# Altium PCB MFC-Card-Template.PcbDoc (part 3 of 4)
Units mm, origin at the board's own origin, x right, y up, seen from the top; angles counter-clockwise.
Board outline 100 x 100 mm, 4 copper layers (Top Layer, Int1 (GND), Int2 (PWR), Bottom Layer), stack 1.542 mm thick; 292 components, 210 nets, 1185 pads, 682 vias.
Unrouted connection lines stored in the file: 56.
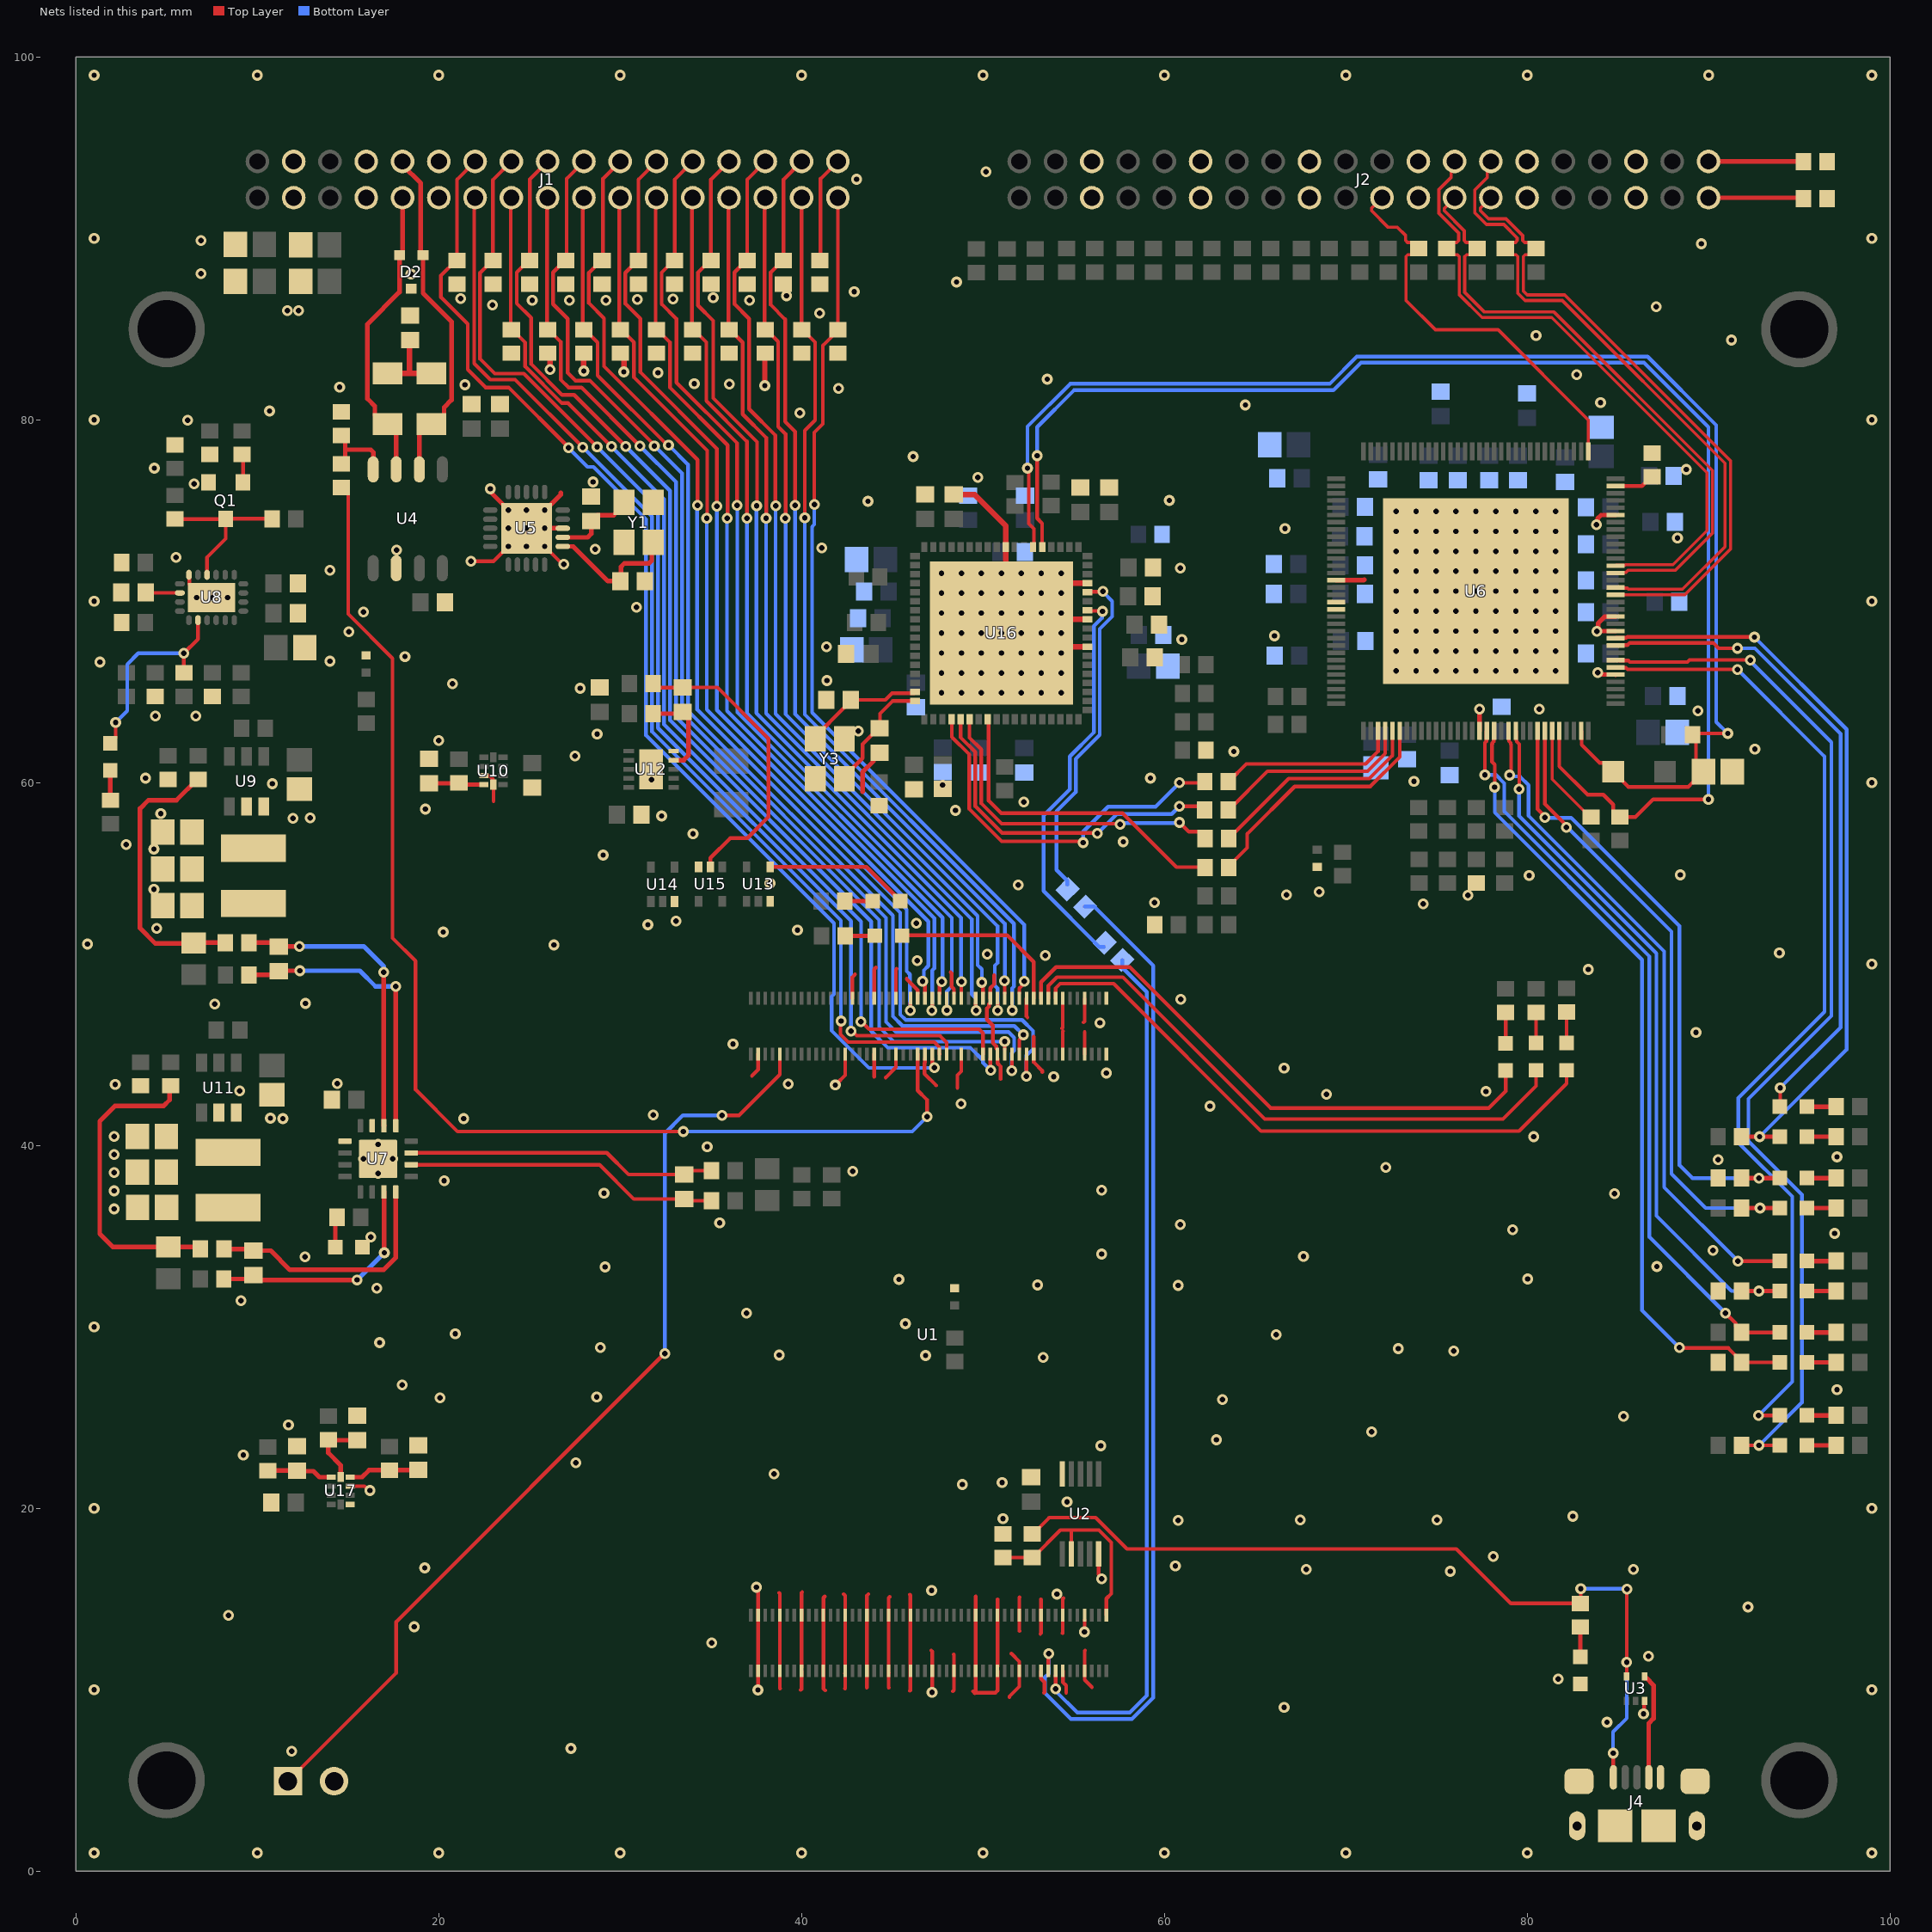
[diagram p5: the nets of this part, all layers, seen from the top]

## Via types
v1: diameter 0.6, hole 0.3, Top Layer to Bottom Layer, 682 vias

## Nets (pads, with @x,y where several pads share a name; then routed paths per layer and width w, separated by ;. In a path a pad name is that pad's centre, name@x,y a point inside that pad or via, vN(x,y) a via of type N, cw(c..) or ccw(c..) an arc to the next point about the centre after c; other vN are vias at no path point) (continued)
ETH5_TX_P: J2.21 R36.1 U6.1 | length 22.3
  Top Layer w0.176: J2.21@72,92.25 71.994,92.25 71.423,91.679 71.423,91.533 72.339,90.618 72.848,90.618 73.304,90.162 73.304,89.889 73.407,89.785 73.653,89.785 73.99,89.448 73.653,89.112 73.427,89.112 73.324,89.008 73.324,86.588 74.945,84.966 78.4,84.966 83.375,79.991 U6.1@83.375,78.259
ETH6_RX_N: J2.26 R39.1 U6.116 | length 35.8
  Top Layer w0.176: J2.26@76,94.25 75.804,94.054 75.804,93.365 75.133,92.694 75.133,91.394 76.226,90.301 76.226,89.889 76.123,89.785 75.876,89.785 75.54,89.448 75.876,89.112 76.151,89.112 76.254,89.008 76.254,86.911 77.52,85.646 81.355,85.646 89.913,77.088 89.913,73.89 88.042,72.019 85.436,72.019 85.413,71.996 84.912,71.996 U6.116@84.875,71.959
ETH6_RX_P: J2.25 R38.1 U6.115 | length 34.2
  Top Layer w0.176: J2.25@76,92.25 76,92.229 75.437,91.666 75.437,91.52 76.53,90.427 76.53,89.889 76.633,89.785 76.879,89.785 77.216,89.448 76.879,89.112 76.661,89.112 76.558,89.008 76.558,87.037 77.645,85.949 81.481,85.949 90.216,77.213 90.216,73.765 88.167,71.716 85.562,71.716 85.442,71.596 84.912,71.596 U6.115@84.875,71.559
ETH6_TX_N: J2.28 R41.1 U6.113 | length 37
  Top Layer w0.176: J2.28@78,94.25 77.804,94.054 77.804,93.365 77.114,92.675 77.114,91.413 77.749,90.779 78.709,90.779 79.452,90.036 79.452,89.889 79.349,89.785 79.102,89.785 78.765,89.448 79.102,89.112 79.384,89.112 79.487,89.008 79.487,86.98 79.882,86.586 81.939,86.586 90.911,77.614 90.911,73.008 88.565,70.663 85.571,70.663 85.511,70.722 84.912,70.722 U6.113@84.875,70.759
ETH6_TX_P: J2.27 R40.1 U6.112 | length 35.3
  Top Layer w0.176: J2.27@78,92.25 77.983,92.25 77.418,91.685 77.418,91.539 77.874,91.082 78.835,91.082 79.755,90.162 79.755,89.889 79.859,89.785 80.105,89.785 80.442,89.448 80.105,89.112 79.894,89.112 79.791,89.008 79.791,87.106 80.007,86.889 82.065,86.889 91.214,77.739 91.214,72.883 88.691,70.359 U6.112@84.875,70.359
GND: C1.1 C2.1 C3.1 C4.1 C10.1 C11.1 C12.1 C13.1 C14.2 C15.1 C16.1 C17.1 C18.1 C19.1 C20.1 C21.1 C22.1 C23.1 C24.1 C25.1 C26.1 C27.1 C28.1 C29.1 C30.1 C31.1 C32.1 C33.1 C34.1 C35.1 C36.1 C37.1 C38.1 C39.1 C40.1 C41.1 C42.1 C43.1 C44.1 C45.1 C46.1 C47.1 C48.1 C49.1 C50.1 C51.1 C52.1 C53.1 C54.1 C55.1 C57.1 C58.1 C59.1 C60.1 C61.1 C62.1 C63.1 C65.1 C66.1 C67.1 C68.1 C70.1 C71.2 C73.1 C74.1 C75.1 C76.1 C77.1 C78.1 C79.1 C80.1 C81.1 C82.1 C83.1 C84.1 C85.1 C86.1 C87.1 C88.1 C89.2 C90.2 C91.1 C92.1 C93.1 C94.1 C95.1 C96.1 C97.1 C98.1 C99.1 C100.1 C101.1 D1.2 D2.3 D19.2 J1.3 J1.4 J1.7 J1.8 J1.11 J1.12 J2.5 J2.6 J2.11 J2.12 J2.17 J2.18 J2.23 J2.24 J2.29 J2.30 J2.35 J2.36 J3.2 J4.5 J4.S Q1.2 R1.2 R2.1 R3.1 R4.1 R5.1 R6.1 R7.1 R8.1 R9.1 R10.1 R11.1 R12.1 R13.1 R14.1 R15.1 R16.1 R17.1 R18.1 R19.1 R20.1 R21.1 R42.2 R43.2 R45.1 R50.1 R66.1 R83.1 R84.1 R85.1 R89.1 R91.1 R92.1 R101.1 R102.1 R103.1 R104.1 R105.1 R107.1 R114.1 R120.1 R133.1 R134.1 R139.1 R140.1 R141.1 U1.1 U1.2 U1.7 U1.8 U1.13 U1.14 U1.22 U1.23 U1.32 U1.33 U1.42 U1.43 U1.52 U1.53 U1.59 U1.60 U1.65 U1.66 U1.71 U1.74 U1.98 U1.107 U1.108 U1.113 U1.114 U1.119 U1.120 U1.125 U1.126 U1.131 U1.132 U1.137 U1.138 U1.144 U1.150 U1.155 U1.156 U1.161 U1.162 U1.167 U1.168 U1.173 U1.174 U1.179 U1.180 U1.185 U1.186 U1.191 U1.192 U1.197 U1.198 U2.5 U2.10 U3.3 U4.2 U5.8 U5.21 U6.47 U6.50 U6.51 U6.81 U6.101 U6.107 U6.109 U6.123 U6.129 U7.3 U7.5 U7.17@16.652,39.262 U8.16 U8.21 U9.2 U10.3 U10.5 U11.2 U12.5 U12.11 U13.3 U14.3 U15.3 U16.26 U16.29 U16.33 U16.45 U16.73 U17.1 U17.3 Y1.2 Y1.4 Y3.2 Y3.4 | length 142
  Top Layer w0.203: U8.16@6.223,71.461 6.242,71.442 6.242,70.942 6.293,70.891 U8.21@6.375,70.891 ; U17.3@15.113,21.216 15.901,21.216 16.088,21.029 16.203,21.029 v1@16.231,21.057 ; v1@21.819,72.111 21.819,72.146 21.885,72.212 23.021,72.212 v1(23.834,73.026) ; U10.3@22.487,60.393 22.51,60.37 22.816,60.37 22.991,60.194 22.991,60.041 23.038,59.995 U10.5@23.038,59.893 ; 23.012,58.977 U10.5@23.012,59.893 ; v1(25.835,73.026) 26.928,71.933 v1@26.949,71.933 ; 37.262,43.84 37.6,44.179 U1.98@37.6,45.031 ; v1@37.592,10.084 37.6,10.092 U1.198@37.6,11.031 37.6,14.111 37.6,15.451 v1@37.617,15.469 ; 38.76,15.342 38.8,15.302 38.8,14.111 U1.192@38.8,11.031 38.8,10.07 38.811,10.058 ; 39.954,9.982 40,10.028 U1.186@40,11.031 ; U1.186@40.005,11.227 40,11.232 40,14.111 40,15.337 40.03,15.367 ; U1.179@41.199,14.249 U1.179@41.2,14.248 ; 41.275,15.138 41.2,15.063 U1.179@41.2,14.248 ; 41.3,9.957 41.2,10.057 U1.180@41.2,11.031 41.2,14.111 U1.179@41.2,14.248 ; v1@41.961,43.332 41.942,43.351 41.942,43.415 42.4,43.873 U1.74@42.4,45.031 ; 42.316,15.265 42.4,15.182 42.4,14.111 U1.174@42.4,11.031 U1.174@42.4,10.904 ; 42.393,10.058 42.4,10.066 U1.174@42.4,10.904 ; U1.174@42.393,10.897 U1.174@42.4,10.904 ; U1.71@42.8,48.111 42.8,49.277 42.951,49.428 ; 43.586,10.109 43.6,10.123 U1.168@43.6,11.031 U1.167@43.6,14.111 ; U1.167@43.6,14.161 43.6,15.177 43.688,15.265 ; 43.993,43.79 44,43.797 U1.66@44,45.031 ; U1.65@44,48.111 44,49.715 44.094,49.809 ; 44.628,43.739 45.2,44.311 U1.60@45.2,45.031 ; 44.806,10.109 44.8,10.115 U1.162@44.8,10.928 ; U1.162@44.806,10.922 U1.162@44.8,10.928 ; 44.856,15.113 44.8,15.057 44.8,14.111 U1.162@44.8,11.031 U1.162@44.8,10.928 ; U1.59@45.2,48.111 45.2,49.696 45.237,49.733 ; 45.796,49.2 45.796,49.173 46.398,48.571 U1.53@46.398,48.359 ; 45.974,9.931 46,9.957 46,10.923 U1.156@46,11.031 46,14.111 46,15.214 45.974,15.24 ; U1.52@46.798,44.783 46.798,44.574 46.777,44.553 46.777,43.952 47.422,43.307 ; 47.142,12.167 47.2,12.109 U1.150@47.2,11.031 47.2,10.026 v1@47.269,9.957 ; 48.209,49.555 48.272,49.492 48.272,48.755 48.398,48.629 U1.43@48.398,48.359 ; 48.336,9.906 48.4,9.97 U1.144@48.4,11.031 48.4,11.925 48.387,11.938 ; 48.59,43.18 48.59,43.877 48.8,44.087 U1.42@48.8,45.031 ; 49.454,9.906 49.53,9.83 49.581,9.83 ; 49.555,9.804 49.581,9.83 ; U1.138@49.606,10.897 U1.138@49.6,10.903 ; 49.606,15.138 49.6,15.132 49.6,14.111 U1.138@49.6,11.031 U1.138@49.6,10.903 ; U1.33@50.398,47.863 50.329,47.793 50.329,47.666 50.216,47.554 50.216,46.939 50.546,46.609 50.546,45.658 50.729,45.476 50.729,45.349 U1.32@50.798,45.279 ; U1.33@50.402,48.113 50.402,48.673 50.622,48.894 50.622,49.378 ; U1.132@50.8,11.031 50.8,9.949 50.681,9.83 49.581,9.83 ; U1.132@50.8,11.279 50.8,14.111 50.8,14.986 ; U1.32@50.802,44.783 50.802,44.526 50.978,44.349 50.978,43.663 ; 51.46,9.576 51.46,9.627 52,10.166 U1.126@52,11.031 52,11.551 51.562,11.989 ; 52.019,13.233 52,13.253 52,14.111 52,15.068 52.019,15.088 ; U1.23@52.4,48.111 52.4,47.117 52.451,47.066 ; 52.781,45.999 52.8,45.981 U1.22@52.8,45.031 52.802,45.029 52.802,44.583 53.264,44.121 53.264,44.044 ; 53.162,13.081 53.2,13.119 53.2,14.111 53.2,14.974 53.188,14.986 ; U1.120@53.2,11.031 53.202,11.029 53.202,10.603 53.391,10.414 53.391,9.855 53.365,9.83 ; 54.356,46.457 54.4,46.501 U1.13@54.4,48.111 ; 54.381,13.106 54.4,13.125 54.4,14.111 54.4,15.005 54.432,15.037 ; U1.114@54.4,11.031 54.402,11.029 54.402,10.41 54.585,10.227 54.585,9.83 ; U1.14@54.4,45.031 54.4,46.297 54.407,46.304 ; 55.55,46.787 55.6,46.837 U1.7@55.6,48.111 ; v1(55.601,13.183) U1.107@55.6,13.863 ; U1.8@55.6,45.031 55.6,46.253 ; 55.626,12.167 55.6,12.141 U1.108@55.6,11.031 55.602,11.029 55.602,10.54 56.007,10.135 ; U2.5@56.372,17.485 56.372,16.341 56.54,16.172 v1(56.54,16.104) ; v1(86.416,8.661) 86.447,8.693 86.447,9.352 U3.3@86.479,9.383 ; 49.581,9.83 49.6,9.849 U1.138@49.6,10.903
  Top Layer w0.254: v1@22.835,76.175 22.835,76.048 23.834,75.048 v1(23.834,75.026) ; U5.21@25.857,74.041 25.872,74.026 U5.8@26.835,74.026 ; U5.21@25.883,75.032 26.721,75.87 26.721,75.971 ; 43.358,59.512 43.358,60.579 43.967,61.189 ; U6.47@69.475,71.159 70.981,71.159 71.018,71.196 ; v1(77.368,64.059) 77.373,64.054 77.373,62.861 U6.81@77.375,62.859 ; v1(83.82,74.219) 83.886,74.285 83.886,74.564 84.081,74.759 U6.123@84.875,74.759 ; v1(83.891,66.062) 83.985,66.062 84.086,65.961 84.873,65.961 U6.101@84.875,65.959 ; U6.107@84.875,68.359 84.873,68.357 83.851,68.357 v1(83.845,68.351) 83.912,68.418 83.912,68.78 84.289,69.157 84.873,69.157 U6.109@84.875,69.159
  Top Layer w0.305: R5.1@26.01,83.617 26.139,83.487 v1(26.139,82.781) ; R7.1@27.965,83.566 27.991,83.541 v1(27.991,82.698) ; R9.1@30.099,83.668 30.201,83.566 v1(30.201,82.652) ; v1(37.973,81.89) 37.973,83.617 R17.1@38.049,83.693 ; C92.1@48.489,75.87 48.503,75.884 49.541,75.884 51.262,74.163 U16.45@51.262,73 51.262,71.811 U16.73@51.029,71.577 ; U16.73@54.28,70.485 54.794,71 U16.33@55.762,71 ; U16.73@54.331,69.367 54.698,69 U16.29@55.762,69 ; U16.73@54.356,67.158 54.698,67.5 U16.26@55.762,67.5
  other v1: 1,1 10,1 20,1 30,1 40,1 50,1 60,1 70,1 80,1 99,1 11.887,6.604 27.28,6.756 84.404,8.204 66.599,9.017 47.193,9.855 37.592,9.982 1,10 99,10 81.712,10.592 86.69,11.836 35.052,12.573 18.644,13.462 8.407,14.097 92.177,14.554 54.077,15.265 47.168,15.469 37.516,15.646 75.766,16.519 67.818,16.637 85.852,16.637 19.228,16.713 60.604,16.815 78.13,17.348 60.757,19.329 67.488,19.355 75.032,19.355 51.105,19.431 82.525,19.558 1,20 99,20 54.635,20.345 16.205,20.98 48.87,21.311 51.054,21.412 38.481,21.895 27.559,22.504 9.22,22.936 56.49,23.444 62.865,23.774 71.425,24.206 11.709,24.587 85.319,25.07 63.195,25.984 20.066,26.086 28.702,26.137 97.079,26.543 17.983,26.797 53.315,28.321 46.838,28.423 38.76,28.448 75.946,28.677 72.898,28.804 28.905,28.854 16.739,29.134 66.167,29.566 20.904,29.616 1,30 45.72,30.175 36.957,30.759 9.093,31.445 16.586,32.131 60.757,32.283 53.01,32.309 45.364,32.614 80.035,32.639 29.159,33.299 87.147,33.325 12.624,33.858 67.666,33.884 56.54,34.011 90.246,34.214 16.256,34.95 96.952,35.154 79.197,35.357 60.884,35.636 35.484,35.738 2.1,36.5 84.811,37.338 29.108,37.363 2.1,37.5 56.54,37.541 20.295,38.049 16.652,38.462 2.1,38.5 42.824,38.583 72.212,38.786 90.526,39.218 15.851,39.262 17.452,39.262 97.079,39.37 2.1,39.5 34.798,39.929 16.652,40.062 2.1,40.5 80.366,40.488 11.405,41.478 21.361,41.478 10.719,41.504 31.826,41.681 62.509,42.164 48.793,42.291 68.936,42.824 77.724,42.977 9.017,43.002 41.859,43.332 2.159,43.358 39.268,43.383 14.402,43.409 53.899,43.79 56.794,43.993 66.599,44.272 36.22,45.593 89.306,46.228 56.439,46.761 7.645,47.803 12.649,47.828 60.909,48.057 83.363,49.708 99,50 46.38,50.19 53.442,50.47 50.241,50.546 93.904,50.622 26.34,51.054 0.635,51.105 20.244,51.765 39.776,51.867 4.445,51.968 31.521,52.172 46.33,52.248 33.071,52.375 74.27,53.315 59.461,53.391 76.733,53.797 66.726,53.823 68.529,53.975 4.293,54.127 51.943,54.356 38.252,54.458 80.112,54.889 88.443,54.915 29.058,56.007 4.293,56.337 2.769,56.591 57.734,56.744 34.011,57.175 11.963,58.039 12.903,58.064 32.283,58.166 4.674,58.293 48.489,58.471 19.253,58.547 52.248,58.928 47.777,59.868 10.82,59.944 99,60 73.762,60.071 31.725,60.173 3.835,60.249 59.233,60.249 27.508,61.468 63.83,61.722 92.558,61.849 19.99,62.332 28.727,62.687 43.129,62.84 4.369,63.678 6.604,63.678 89.408,63.957 80.67,64.059 47.712,64.95 48.812,64.95 49.912,64.95 51.012,64.95 52.112,64.95 53.212,64.95 54.312,64.95 27.788,65.202 20.752,65.456 41.402,65.634 47.712,66.05 48.812,66.05 49.912,66.05 51.012,66.05 52.112,66.05 53.212,66.05 54.312,66.05 72.775,66.159 73.875,66.159 74.975,66.159 76.075,66.159 77.175,66.159 78.275,66.159 79.375,66.159 80.475,66.159 81.575,66.159 1.321,66.65 14,66.7 18.136,66.954 47.712,67.15 48.812,67.15 49.912,67.15 51.012,67.15 52.112,67.15 53.212,67.15 54.312,67.15 72.775,67.259 73.875,67.259 74.975,67.259 76.075,67.259 77.175,67.259 78.275,67.259 79.375,67.259 80.475,67.259 81.575,67.259 41.377,67.488 60.96,67.894 66.065,68.097 47.712,68.25 48.812,68.25 49.912,68.25 51.012,68.25 52.112,68.25 53.212,68.25 54.312,68.25 15.037,68.326 72.775,68.359 73.875,68.359 74.975,68.359 76.075,68.359 77.175,68.359 78.275,68.359 79.375,68.359 80.475,68.359 81.575,68.359 47.712,69.35 48.812,69.35 49.912,69.35 51.012,69.35 52.112,69.35 53.212,69.35 54.312,69.35 15.85,69.418 72.775,69.459 73.875,69.459 74.975,69.459 76.075,69.459 77.175,69.459 78.275,69.459 79.375,69.459 80.475,69.459 81.575,69.459 30.896,69.672 1,70 99,70 6.655,70.206 7.518,70.206 8.357,70.206 47.712,70.45 48.812,70.45 49.912,70.45 51.012,70.45 52.112,70.45 53.212,70.45 54.312,70.45 72.775,70.559 73.875,70.559 74.975,70.559 76.075,70.559 77.175,70.559 78.275,70.559 79.375,70.559 80.475,70.559 81.575,70.559 47.712,71.55 48.812,71.55 49.912,71.55 51.012,71.55 52.112,71.55 53.212,71.55 54.312,71.55 72.775,71.659 73.875,71.659 74.975,71.659 76.075,71.659 77.175,71.659 78.275,71.659 79.375,71.659 80.475,71.659 81.575,71.659 14,71.704 60.884,71.831 26.899,72.034 21.768,72.212 5.512,72.415 72.775,72.759 73.875,72.759 74.975,72.759 76.075,72.759 77.175,72.759 78.275,72.759 79.375,72.759 80.475,72.759 81.575,72.759 17.678,72.822 28.626,72.873 41.107,72.949 24.834,73.026 88.29,73.482 72.775,73.859 73.875,73.859 74.975,73.859 76.075,73.859 77.175,73.859 78.275,73.859 79.375,73.859 80.475,73.859 81.575,73.859 23.834,74.026 24.834,74.026 25.835,74.026 66.65,74.016 72.775,74.959 73.875,74.959 74.975,74.959 76.075,74.959 77.175,74.959 78.275,74.959 79.375,74.959 80.475,74.959 81.575,74.959 24.834,75.026 25.835,75.026 43.663,75.514 60.274,75.565 22.835,76.2 6.502,76.479 28.499,76.581 49.708,76.835 88.773,77.267 4.318,77.343 46.152,77.978 6.147,79.985 1,80 99,80 39.903,80.391 10.668,80.493 64.465,80.823 84.049,80.95 42.037,81.737 14.529,81.813 21.438,81.94 36.017,81.966 34.087,81.991 53.543,82.245 82.728,82.499 32.08,82.601 91.262,84.404 80.493,84.658 40.996,85.877 11.659,86.03 12.268,86.03 87.122,86.233 22.962,86.335 25.146,86.6 27.203,86.6 29.21,86.6 37.135,86.6 30.937,86.639 32.918,86.665 21.209,86.69 35.128,86.741 39.167,86.843 42.901,87.071 48.539,87.605 18.466,88.036 6.883,88.062 89.611,89.713 6.883,89.891 1,90 99,90 43.028,93.269 50.165,93.675 1,99 10,99 20,99 30,99 40,99 50,99 60,99 70,99 80,99 90,99 99,99
NetC5_1: C5.1 U1.116 | length 47.9
  Top Layer w0.203: v1(54,10.033) U1.116@54,10.782
  Bottom Layer w0.203: v1(54,10.033) 54,9.939 55.202,8.738 58.09,8.738 59.03,9.677 59.03,48.463 57.678,49.815 C5.1@57.678,50.221
NetC5_2: C5.2 U16.30 | length 22.2
  Top Layer w0.203: U16.30@55.768,69.494 55.789,69.473 56.564,69.473 v1(56.591,69.446)
  Bottom Layer w0.203: v1(56.591,69.446) 56.562,69.417 56.562,69.084 56.109,68.631 56.109,62.769 54.788,61.448 54.788,59.639 53.34,58.191 53.34,54.026 56.413,50.952 C5.2@56.667,50.952
NetC6_1: C6.1 U1.118 | length 55.5
  Top Layer w0.203: U1.118@53.602,11.279 53.602,11.971 v1(53.619,11.989)
  Bottom Layer w0.203: v1(53.619,11.989) 53.619,10.883 53.416,10.68 53.416,9.816 54.85,8.382 58.217,8.382 59.385,9.55 59.385,48.997 59.385,49.911 56.121,53.175 55.628,53.175 C6.1@55.621,53.168
NetC6_2: C6.2 U16.32 | length 18.8
  Top Layer w0.203: U16.32@55.77,70.492 55.804,70.527 56.59,70.527 v1(56.617,70.554)
  Bottom Layer w0.203: C6.2@54.641,54.376 54.648,54.384 54.648,54.597 54.051,55.194 54.051,57.658 54.051,58.42 55.118,59.487 55.118,61.312 56.439,62.632 56.439,68.478 57.12,69.159 57.12,70.007 56.617,70.51 v1(56.617,70.554)
NetC14_1: C14.1 R47.1 R49.2 | length 4.3
  Top Layer w0.305: R47.1@17.174,82.568 18.382,82.568 ; C14.1@18.415,84.411 18.382,84.378 18.382,82.568 ; R49.2@19.59,82.568 18.382,82.568
NetC15_2: C15.2 U5.7 Y1.3 | length 4.7
  Top Layer w0.254: U5.7@26.835,73.526 28.208,73.526 28.406,73.724 C15.2@28.406,74.42 28.729,74.743 29.633,74.743 30.215,75.325 Y1.3@30.215,75.45
NetC17_2: C17.2 U5.6 Y1.1 | length 8.2
  Top Layer w0.254: U5.6@26.835,73.026 27.406,73.026 29.32,71.112 C17.2@30.016,71.112 30.038,71.134 30.038,71.895 30.234,72.091 31.587,72.091 31.736,72.24 31.736,73.17 Y1.1@31.815,73.25 Y1.1@31.815,73.125 ; C17.2@29.921,70.964 C17.2@30.244,71.287
NetC51_2: C51.2 D9.1 R61.1 U6.95 U16.42 | length 77.9
  Top Layer w0.203: v1(52.456,77.339) 52.527,77.267 52.527,74.285 52.812,74 52.812,73.05 U16.42@52.762,73 ; U6.95@82.975,62.859 82.998,62.836 82.998,62.086 83.996,61.088 84.257,61.088 D9.1@84.739,60.606 ; D9.1@84.969,60.376 85.579,59.766 88.88,59.766 89.122,60.008 89.172,60.008 89.72,60.556 C51.2@89.72,60.606 89.306,61.02 89.306,62.56 R61.1@89.256,62.611 ; R61.1@89.123,62.638 89.306,62.638 89.381,62.713 v1(91.059,62.713)
  Bottom Layer w0.203: v1(52.456,77.339) 52.456,79.634 54.813,81.991 69.113,81.991 70.612,83.49 86.639,83.49 90.424,79.705 90.424,63.348 v1(91.059,62.713)
NetC56_1: C56.1 R99.1 U7.14 | length 17.4
  Top Layer w0.203: U7.14@18.477,38.937 28.856,38.937 30.749,37.044 C56.1@33.528,37.044 33.615,36.957 R99.1@35.037,36.957
NetC56_2: C56.2 R98.1 U7.15 | length 17.2
  Top Layer w0.203: U7.15@18.477,39.587 18.488,39.599 29.261,39.599 30.465,38.394 C56.2@33.528,38.394 33.742,38.608 R98.1@35.037,38.608
NetC57_2: C57.2 U8.18 | length 1.9
  Top Layer w0.203: C57.2@3.85,70.485 3.874,70.461 U8.18@5.723,70.461
NetC58_2: C58.2 R109.2 U10.4 | length 3.1
  Top Layer w0.254: C58.2@19.456,59.968 21.082,59.968 R109.2@21.107,59.993 21.207,59.893 U10.4@22.487,59.893
NetC61_2: C61.2 C62.2 C63.2 L1.2 R108.1 R111.2 R112.2 | length 15.5
  Top Layer w0.254: R111.2@6.731,60.183 6.681,60.183 5.529,59.031 3.983,59.031 3.526,58.574 3.526,51.979 4.375,51.13 6.44,51.13 R108.1@6.477,51.167 6.491,51.181 R112.2@8.225,51.181
NetC64_1: C64.1 R113.1 U7.1 | length 16.2
  Top Layer w0.254: R113.1@9.54,49.403 10.962,49.403 C64.1@11.176,49.617 11.191,49.632 v1(12.344,49.632) ; U7.1@17.627,41.087 v1(17.627,48.769)
  Bottom Layer w0.254: v1(12.344,49.632) 15.646,49.632 16.509,48.769 v1(17.627,48.769)
NetC64_2: C64.2 R112.1 U7.2 | length 16.8
  Top Layer w0.254: R112.1@9.525,51.181 10.962,51.181 C64.2@11.176,50.967 11.187,50.978 v1(12.319,50.978) ; v1(16.967,49.555) 16.967,41.096 U7.2@16.977,41.087
  Bottom Layer w0.254: v1(12.319,50.978) 15.85,50.978 16.967,49.86 v1(16.967,49.555)
NetC66_2: C66.2 C67.2 C68.2 L2.2 R115.1 R117.2 R118.2 | length 17.2
  Top Layer w0.254: R117.2@5.207,43.292 5.159,43.244 5.159,42.51 4.832,42.184 2.155,42.184 1.306,41.335 1.306,35.131 2.034,34.403 R115.1@5.08,34.403 6.745,34.403 R118.2@6.858,34.29 ; L2.2@8.382,36.575 L2.2@8.382,36.575
NetC69_1: C69.1 R119.1 U7.11 | length 13
  Top Layer w0.254: R119.1@8.143,32.639 9.565,32.639 C69.1@9.779,32.853 9.79,32.842 9.815,32.868 10.095,32.588 v1(15.494,32.588) ; U7.11@16.977,37.437 16.993,37.421 v1(16.993,34.087)
  Bottom Layer w0.254: v1(15.494,32.588) v1(16.993,34.087)
NetC69_2: C69.2 R118.1 U7.12 | length 13.8
  Top Layer w0.254: R118.1@8.158,34.29 9.692,34.29 C69.2@9.779,34.203 10.73,34.203 11.786,33.147 16.953,33.147 17.627,33.821 U7.12@17.627,37.437
NetC72_1: C72.1 R128.1 U15.2 | length 16.4
  Top Layer w0.203: R128.1@31.902,65.38 32.04,65.242 C72.1@33.452,65.242 ; C72.1@33.466,65.278 33.491,65.253 35.357,65.253 38.176,62.433 38.176,58.115 37.008,56.947 36.068,56.947 34.976,55.855 U15.2@34.976,55.357
NetC72_2: C72.2 R127.1 U12.4 | length 5.1
  Top Layer w0.254: R127.1@31.816,63.805 33.365,63.805 C72.2@33.452,63.892 33.766,63.578 33.766,61.508 33.5,61.243 32.946,61.243 U12.4@32.944,61.241
NetC89_1: C89.1 U16.70 Y3.3 | length 6.7
  Top Layer w0.203: Y3.3@40.754,62.416 40.754,62.541 42.364,64.15 42.364,64.218 C89.1@42.712,64.567 44.618,64.567 44.986,64.935 46.198,64.935 U16.70@46.262,65
NetC90_1: C90.1 U16.71 Y3.1 | length 6.6
  Top Layer w0.203: Y3.1@42.354,60.216 42.354,60.341 43.364,61.35 43.364,62.123 44.323,63.082 44.323,63.805 45.018,64.5 U16.71@46.262,64.5
NetC97_2: C97.2 R142.2 U17.4 | length 3.9
  Top Layer w0.254: U17.4@15.113,21.716 15.774,21.716 16.156,22.098 R142.2@17.272,22.098 18.855,22.098 C97.2@18.872,22.115
NetC98_2: C98.2 R143.2 U17.5 | length 3.9
  Top Layer w0.254: U17.5@14.588,21.716 14.588,22.372 13.909,23.051 R143.2@13.909,23.772 13.932,23.749 C98.2@15.494,23.749
NetC99_2: C99.2 R144.2 U17.6 | length 3.6
  Top Layer w0.254: R144.2@10.579,22.074 10.58,22.073 C99.2@12.192,22.073 12.218,22.047 13.084,22.047 13.415,21.716 U17.6@14.063,21.716
NetD1_1: D1.1 R46.1 | length 1.6
  Top Layer w0.254: D1.1@82.931,11.811 R46.1@82.931,13.455
NetD2_1: D2.1 J1.10 R49.1 U4.6 | length 19.1
  Top Layer w0.254: J1.10@18,94.25 18,94.055 19.002,93.053 19.002,89.208 D2.1@19.13,89.08 19.13,86.983 20.7,85.412 20.7,81.103 20.288,80.69 20.288,80.241 19.815,79.768 R49.1@19.59,79.768 19.396,79.768 18.923,79.295 U4.6@18.923,77.274
NetD2_2: D2.2 J1.9 R47.2 U4.7 | length 16.6
  Top Layer w0.254: U4.7@17.653,77.274 17.653,79.295 17.18,79.768 R47.2@17.174,79.768 16.949,79.768 16.476,80.241 16.476,80.756 16.064,81.168 16.064,85.282 17.83,87.048 D2.2@17.83,89.08 18,89.25 J1.9@18,92.25
NetD3_1: D3.1 R51.1 | length 1.6
  Top Layer w0.254: D3.1@95.429,42.139 R51.1@97.029,42.139
NetD3_2: D3.2 U6.105 | length 36.5
  Top Layer w0.203: U6.105@84.875,67.559 84.898,67.583 85.529,67.583 85.658,67.712 90.251,67.712 90.551,67.412 v1(91.592,67.412) ; D3.2@93.929,42.139 93.955,42.164 v1(93.955,43.18)
  Bottom Layer w0.203: v1(91.592,67.412) 92.558,67.412 97.282,62.687 97.282,46.507 v1(93.955,43.18)
NetD4_1: D4.1 R52.1 | length 1.6
  Top Layer w0.254: D4.1@95.429,40.488 R52.1@97.029,40.488
NetD4_2: D4.2 R80.2 U6.106 | length 41.4
  Top Layer w0.203: U6.106@84.875,67.959 84.898,67.983 85.462,67.983 85.522,68.042 92.512,68.042 v1(92.532,68.021)
  Top Layer w0.254: R80.2@91.829,40.488 v1(92.812,40.488) D4.2@93.929,40.488
  Bottom Layer w0.203: v1(92.532,68.021) 97.612,62.941 97.612,45.288 v1(92.812,40.488)
NetD5_1: D5.1 R53.1 | length 1.6
  Top Layer w0.254: D5.1@95.429,38.202 R53.1@97.029,38.202
NetD5_2: D5.2 R83.2 U6.89 | length 34.9
  Top Layer w0.203: U6.89@80.575,62.859 80.575,58.545 80.97,58.15 v1(80.97,58.085)
  Top Layer w0.254: R83.2@91.829,38.252 R83.2@91.829,38.202 v1(92.786,38.202) D5.2@93.929,38.202
  Bottom Layer w0.203: v1(80.97,58.085) 80.991,58.064 82.423,58.064 88.392,52.095 88.392,38.913 89.103,38.202 v1(92.786,38.202)
NetD6_1: D6.1 R54.1 | length 1.6
  Top Layer w0.254: D6.1@95.429,36.551 R54.1@97.029,36.551
NetD6_2: D6.2 R81.2 U6.90 | length 35.2
  Top Layer w0.203: U6.90@80.975,62.859 80.975,58.828 82.169,57.634 v1(82.169,57.536)
  Top Layer w0.254: R81.2@91.829,36.601 R81.2@91.829,36.551 v1(92.837,36.551) D6.2@93.929,36.551
  Bottom Layer w0.203: v1(82.169,57.536) 82.215,57.536 87.96,51.791 87.96,38.43 89.84,36.551 v1(92.837,36.551)
NetD7_1: D7.1 R55.1 | length 1.6
  Top Layer w0.254: D7.1@95.393,33.63 R55.1@97.041,33.63
NetD7_2: D7.2 U6.85 | length 37.1
  Top Layer w0.203: U6.85@78.975,62.859 78.998,62.836 78.998,62.287 79.091,62.195 79.091,62.128 79.116,62.103 79.116,60.605 79.038,60.527 v1(79.038,60.42) ; v1(91.618,33.63) D7.2@93.929,33.63
  Bottom Layer w0.203: v1(79.038,60.42) 79.114,60.344 79.596,60.344 80.081,59.858 80.081,58.171 87.554,50.698 87.554,37.694 v1(91.618,33.63)
NetD8_1: D8.1 R56.1 | length 1.7
  Top Layer w0.254: D8.1@95.381,31.979 R56.1@97.041,31.979
NetD8_2: D8.2 R85.2 U6.86 | length 39.4
  Top Layer w0.203: U6.86@79.375,62.859 79.398,62.836 79.398,62.334 79.421,62.311 79.421,62.265 79.567,62.119 79.567,59.653 v1(79.553,59.639)
  Top Layer w0.254: R85.2@91.829,32.029 R85.2@91.829,31.979 v1(92.786,31.979) D8.2@93.881,31.979
  Bottom Layer w0.203: v1(79.553,59.639) 79.553,58.166 87.122,50.597 87.122,36.119 91.262,31.979 v1(92.786,31.979)
NetD10_1: D10.1 R59.1 | length 1.6
  Top Layer w0.254: D10.1@95.266,29.693 R59.1@96.899,29.693
NetD10_2: D10.2 R82.2 U6.82 | length 41.4
  Top Layer w0.203: v1(77.673,60.427) 77.673,62.205 77.752,62.283 77.752,62.836 U6.82@77.775,62.859 ; v1(90.932,30.759) 91.506,30.186 91.506,30.016 R82.2@91.829,29.693 D10.2@93.766,29.693
  Bottom Layer w0.203: v1(77.673,60.427) 78.284,60.427 78.74,59.97 78.74,58.42 86.741,50.419 86.741,34.95 v1(90.932,30.759)
NetD11_1: D11.1 R60.1 | length 1.6
  Top Layer w0.254: D11.1@95.266,28.042 R60.1@96.914,28.042
NetD11_2: D11.2 R84.2 U6.83 | length 44.1
  Top Layer w0.203: U6.83@78.175,62.859 78.152,62.836 78.152,62.262 78.082,62.192 78.082,62.146 78.059,62.123 78.059,61.147 78.211,60.994 v1(78.211,59.751) ; v1(88.392,28.854) 88.417,28.829 91.092,28.829 91.829,28.092 R84.2@91.829,28.042 D11.2@93.766,28.042
  Bottom Layer w0.203: v1(78.211,59.751) 78.214,59.749 78.214,58.362 86.335,50.241 86.335,30.912 v1(88.392,28.854)
NetD12_1: D12.1 R67.1 | length 1.6
  Top Layer w0.254: D12.1@95.139,25.121 R67.1@96.787,25.121
NetD12_2: D12.2 U6.102 | length 55
  Top Layer w0.203: U6.102@84.875,66.359 84.898,66.336 85.447,66.336 85.539,66.243 v1(91.592,66.243) ; v1(92.761,25.121) D12.2@93.929,25.121
  Bottom Layer w0.203: v1(91.592,66.243) 96.393,61.443 96.393,47.371 91.643,42.621 91.643,40.157 94.615,37.186 94.615,26.975 v1(92.761,25.121)
NetD13_1: D13.1 R68.1 | length 1.6
  Top Layer w0.254: D13.1@95.139,23.47 R68.1@96.787,23.47
NetD13_2: D13.2 R86.2 U6.103 | length 58.6
  Top Layer w0.203: U6.103@84.875,66.759 84.898,66.736 85.577,66.736 85.658,66.654 88.831,66.654 88.948,66.772 92.283,66.772 v1(92.304,66.751) ; R86.2@91.829,23.47 D13.2@93.639,23.47
  Bottom Layer w0.203: v1(92.304,66.751) 92.304,66.7 96.774,62.23 96.774,47.142 92.202,42.57 92.202,40.234 95.148,37.287 95.148,25.832 v1(92.786,23.47)
NetD14_1: D14.1 R123.2 | length 1.6
  Top Layer w0.237: R123.2@42.394,51.562 D14.1@44.042,51.562
NetD14_2: D14.2 U1.21 | length 9.8
  Top Layer w0.203: D14.2@45.568,51.587 51.333,51.587 52.8,50.121 U1.21@52.8,48.111
NetD15_1: D15.1 U13.4 | length 8
  Top Layer w0.203: U13.4@38.267,55.357 43.576,55.357 45.429,53.504 D15.1@45.429,53.467
NetD15_2: D15.2 R124.2 | length 1.5
  Top Layer w0.237: R124.2@42.382,53.467 D15.2@43.929,53.467
NetD16_1: D16.1 R125.1 | length 1.6
  Top Layer w0.203: D16.1@78.791,45.72 78.816,45.745 R125.1@78.816,47.333
NetD16_2: D16.2 U1.19 | length 31.6
  Top Layer w0.203: U1.19@53.2,48.111 53.2,49.009 54.026,49.835 58.09,49.835 65.862,42.062 77.884,42.062 78.816,42.994 78.816,43.93 78.728,44.018 D16.2@78.816,44.018
NetD17_1: D17.1 R126.1 | length 1.7
  Top Layer w0.203: D17.1@80.493,45.644 R126.1@80.493,47.341
NetD17_2: D17.2 U1.17 | length 32.6
  Top Layer w0.203: U1.17@53.6,48.111 53.6,48.799 54.077,49.276 57.709,49.276 65.532,41.453 78.664,41.453 80.493,43.282 80.493,43.993 D17.2@80.594,44.094
NetD18_1: D18.1 R145.2 | length 1.6
  Top Layer w0.254: R145.2@1.888,59.03 D18.1@1.888,60.678
NetD18_2: D18.2 R96.1 U8.2 | length 11.3
  Top Layer w0.203: D18.2@1.888,62.179 2.184,62.475 v1(2.184,63.322) ; R96.1@5.944,66.055 v1(5.944,67.132) 6.723,67.912 U8.2@6.723,68.961
  Bottom Layer w0.203: v1(2.184,63.322) 2.819,63.957 2.819,66.523 3.429,67.132 v1(5.944,67.132)
NetD19_1: D19.1 R146.1 | length 1.7
  Top Layer w0.254: D19.1@14.292,34.389 14.292,35.94 R146.1@14.392,36.04
NetD20_1: D20.1 R147.1 | length 1.5
  Top Layer w0.203: D20.1@82.169,45.898 R147.1@82.169,47.356
NetD20_2: D20.2 U1.15 | length 34
  Top Layer w0.203: U1.15@54,48.111 54,48.666 54.254,48.92 57.201,48.92 65.329,40.792 79.553,40.792 82.169,43.409 D20.2@82.169,44.118
NetJ1_13: J1.13 U1.48 | length 61.5
  Top Layer w0.203: J1.13@22,92.25 21.946,92.196 21.946,83.109 22.835,82.22 24.206,82.22 v1(27.94,78.486) ; v1(42.18,46.863) 42.139,46.822 42.139,46.126 42.57,45.695 47.32,45.695 47.598,45.416 U1.48@47.6,45.031 U1.48@47.6,45.031
  Bottom Layer w0.203: v1(27.94,78.486) 31.755,74.671 31.755,62.809 42.164,52.4 42.164,46.879 v1(42.18,46.863)
NetJ1_14: J1.14 R2.2 U1.50 | length 65.8
  Top Layer w0.203: J1.14@22,94.25 21,93.25 R2.2@21,88.788 20.95,88.788 20.117,87.955 20.117,86.766 21.59,85.293 21.59,82.779 22.581,81.788 23.851,81.788 27.153,78.486 v1(27.153,78.461) ; U1.50@47.202,44.783 47.202,44.52 47.32,44.401 v1(47.32,44.294)
  Bottom Layer w0.203: v1(27.153,78.461) 28.198,77.415 28.528,77.415 31.425,74.519 31.425,62.606 41.783,52.248 41.783,48.336 41.651,48.204 41.651,46.334 43.713,44.272 47.299,44.272 v1(47.32,44.294)
NetJ1_15: J1.15 R3.2 U1.36 | length 61.8
  Top Layer w0.203: R3.2@24,84.978 23.966,85.012 23.966,92.216 J1.15@24,92.25 ; R3.2@24.05,84.978 24.765,84.263 24.765,82.941 26.781,80.924 27.127,80.924 v1(29.515,78.537) ; v1(43.276,46.832) 43.294,46.832 43.721,46.406 49.784,46.406 50,46.19 U1.36@50,45.031
  Bottom Layer w0.203: v1(29.515,78.537) 32.415,75.636 32.415,63.216 43.282,52.349 43.282,46.838 v1(43.276,46.832)
NetJ1_16: J1.16 R4.2 U1.46 | length 64.3
  Top Layer w0.203: R4.2@23,88.788 R4.2@22.987,88.788 ; J1.16@24,94.25 22.987,93.237 R4.2@22.987,88.788 ; v1(28.727,78.511) 24.689,82.55 23.089,82.55 22.276,83.363 22.276,88.114 22.95,88.788 R4.2@22.987,88.788 ; v1(42.723,46.304) 42.786,46.304 43.04,46.05 47.625,46.05 48,45.675 U1.46@48,45.031
  Bottom Layer w0.203: v1(28.727,78.511) 32.085,75.154 32.085,63.013 42.723,52.375 v1(42.723,46.304)
NetJ1_17: J1.17 R5.2 U1.30 | length 61.5
  Top Layer w0.203: R5.2@26,84.978 25.966,85.012 25.966,92.216 J1.17@26,92.25 ; R5.2@26.035,84.978 26.05,84.978 26.721,84.307 26.721,82.22 27.153,81.788 27.864,81.788 v1(31.09,78.562) ; v1(51.194,45.727) 51.198,45.722 U1.30@51.198,45.279
  Top Layer w0.254: R5.2@26,85.013 R5.2@26.035,84.978
  Bottom Layer w0.203: v1(31.09,78.562) 33.076,76.576 33.076,63.622 44.272,52.426 44.272,46.533 45.085,45.72 51.187,45.72 v1(51.194,45.727)
NetJ1_18: J1.18 R6.2 U1.34 | length 65.4
  Top Layer w0.203: R6.2@25,88.788 24.95,88.788 24.296,88.134 24.296,86.422 25.095,85.623 25.095,83.078 26.791,81.382 27.457,81.382 v1(30.302,78.537) ; R6.2@25.019,88.788 25.019,93.269 J1.18@26,94.25 ; U1.34@50.402,44.783 50.402,44.163 v1(50.419,44.145)
  Bottom Layer w0.203: v1(30.302,78.537) 32.745,76.094 32.745,63.444 43.84,52.349 43.84,46.304 44.755,45.39 49.301,45.39 50.001,44.691 50.001,44.564 v1(50.419,44.145)
NetJ1_19: J1.19 R7.2 U1.26 | length 60.8
  Top Layer w0.203: J1.19@28,92.25 27.94,92.19 27.94,85.038 R7.2@28,84.978 28.05,84.978 28.753,84.275 28.753,82.45 32.59,78.613 v1(32.664,78.613) ; U1.26@52,45.279 52,45.827 52.228,46.054 v1(52.228,46.1)
  Bottom Layer w0.203: v1(32.664,78.613) 33.736,77.541 33.736,63.978 45.034,52.68 45.034,47.117 45.566,46.586 51.732,46.586 52.217,46.1 v1(52.228,46.1)
NetJ1_20: J1.20 R8.2 U1.28 | length 66.2
  Top Layer w0.203: R8.2@27,88.788 26.95,88.788 26.296,88.134 26.296,86.378 27.102,85.573 27.102,82.601 27.534,82.169 28.321,82.169 31.877,78.613 v1(31.877,78.562) ; R8.2@27.047,88.792 27.047,93.297 J1.20@28,94.25 ; v1(51.587,44.12) 51.598,44.131 U1.28@51.598,44.783
  Bottom Layer w0.203: v1(31.877,78.562) 31.902,78.562 33.406,77.059 33.406,63.8 44.653,52.553 44.653,46.809 45.207,46.255 51.413,46.255 51.722,45.946 51.722,45.228 51.587,45.094 v1(51.587,44.12)
NetJ1_21: J1.21 R9.2 U1.55 | length 51.9
  Top Layer w0.203: R9.2@30,84.978 29.947,85.031 29.947,92.197 J1.21@30,92.25 ; R9.2@30.05,84.978 30.759,84.269 30.759,82.347 34.793,78.313 34.793,74.595 v1(34.773,74.574) ; v1(46,47.444) U1.55@46,47.863
  Bottom Layer w0.203: v1(34.773,74.574) 34.773,64.033 45.796,53.01 45.796,49.606 45.974,49.428 45.974,47.47 v1(46,47.444)
NetJ1_22: J1.22 R10.2 U1.24 | length 66.2
  Top Layer w0.203: R10.2@29,88.788 28.95,88.788 28.27,88.108 28.27,86.436 29.108,85.598 29.108,82.956 34.265,77.8 v1(34.265,75.286) ; R10.2@29.047,88.879 29.047,93.297 J1.22@30,94.25 ; v1(52.4,43.815) U1.24@52.4,44.783
  Top Layer w0.254: R10.2@28.978,88.81 R10.2@29.047,88.879
  Bottom Layer w0.203: v1(34.265,75.286) 34.244,75.265 34.244,64.029 45.441,52.832 45.441,47.219 45.743,46.916 52.16,46.916 52.756,46.319 52.756,45.315 52.4,44.959 v1(52.4,43.815)
NetJ1_23: J1.23 R11.2 U1.49 | length 51.7
  Top Layer w0.203: J1.23@32,92.25 31.953,92.203 31.953,85.025 R11.2@32,84.978 32.05,84.978 32.741,84.287 32.741,81.788 35.92,78.608 35.92,74.605 v1(35.89,74.574) ; v1(47.187,47.444) 47.198,47.456 U1.49@47.198,47.863
  Bottom Layer w0.203: v1(35.89,74.574) 35.89,63.957 47.32,52.527 47.32,49.769 47.198,49.647 47.198,47.456 v1(47.187,47.444)
NetJ1_24: J1.24 R12.2 U1.51 | length 53.7
  Top Layer w0.203: J1.24@32,94.25 31,93.25 R12.2@31,88.788 30.95,88.788 30.277,88.115 30.277,86.411 31.115,85.573 31.115,82.626 35.331,78.41 v1(35.331,75.235) ; v1(46.669,49.047) 46.669,48.94 46.8,48.809 U1.51@46.8,48.359
  Bottom Layer w0.203: v1(35.331,75.235) 35.331,64.008 46.99,52.349 46.99,49.906 46.736,49.653 46.736,49.114 v1(46.669,49.047)
NetJ1_25: J1.25 R13.2 U1.45 | length 51.3
  Top Layer w0.203: J1.25@34,92.25 33.96,92.21 33.96,85.018 R13.2@34,84.978 34.05,84.978 34.747,84.281 34.747,81.051 36.982,78.816 v1(36.982,74.574) ; v1(48.002,47.449) U1.45@48.002,47.863
  Bottom Layer w0.203: v1(36.982,74.574) 36.982,63.856 48.285,52.553 48.285,48.776 48.006,48.496 48.006,47.453 v1(48.002,47.449)
NetJ1_26: J1.26 R14.2 U1.47 | length 53.1
  Top Layer w0.203: J1.26@34,94.25 33,93.25 R14.2@33,88.788 32.95,88.788 32.283,88.121 32.283,86.385 33.096,85.573 33.096,82.067 36.449,78.715 v1(36.449,75.286) ; U1.47@47.6,48.359 47.6,48.788 47.727,48.915 v1(47.727,49.022)
  Bottom Layer w0.203: v1(36.449,75.286) 36.454,75.281 36.454,63.876 47.769,52.561 47.769,49.064 v1(47.727,49.022)
NetJ1_27: J1.27 R15.2 U1.37 | length 50.9
  Top Layer w0.203: J1.27@36,92.25 35.966,92.216 35.966,85.012 R15.2@36,84.978 36.05,84.978 36.754,84.274 36.754,80.315 38.049,79.019 38.049,74.584 v1(38.04,74.574) ; U1.37@49.602,47.863 49.602,47.456 v1(49.613,47.444)
  Bottom Layer w0.203: v1(38.04,74.574) 38.04,63.814 49.378,52.476 49.378,48.336 49.606,48.108 49.606,47.452 v1(49.613,47.444)
NetJ1_28: J1.28 R16.2 U1.41 | length 52.7
  Top Layer w0.203: J1.28@36,94.25 35,93.25 R16.2@35,88.788 34.95,88.788 34.29,88.128 34.29,86.309 35.128,85.471 35.128,81.204 37.546,78.786 37.546,75.285 v1(37.521,75.26) ; U1.41@48.802,48.359 48.802,49.01 v1(48.814,49.022)
  Bottom Layer w0.203: v1(37.521,75.26) 37.511,75.251 37.511,63.835 48.793,52.553 48.793,49.043 v1(48.814,49.022)
NetJ1_29: J1.29 R17.2 U1.31 | length 50.7
  Top Layer w0.203: J1.29@38,92.25 37.966,92.216 37.966,85.012 R17.2@38,84.978 38.05,84.978 38.71,84.318 38.71,79.629 39.116,79.223 39.116,74.594 v1(39.097,74.574) ; U1.31@50.802,47.863 50.802,47.451 v1(50.808,47.444)
  Bottom Layer w0.203: v1(39.097,74.574) 39.116,74.555 39.116,63.779 50.8,52.095 50.8,50.063 50.653,49.916 50.653,48.812 50.808,48.656 v1(50.808,47.444)
NetJ1_30: J1.30 R18.2 U1.35 | length 52.3
  Top Layer w0.203: 36.296,88.008 36.296,86.968 36.297,86.385 37.109,85.573 37.109,80.594 38.557,79.146 38.557,75.281 v1(38.578,75.26) ; 36.297,88.008 36.297,88.135 36.95,88.788 R18.2@37,88.788 37,93.25 J1.30@38,94.25 ; v1(49.936,48.997) 49.998,48.935 U1.35@49.998,48.359
  Bottom Layer w0.203: v1(38.578,75.26) 38.568,75.251 38.568,63.794 49.708,52.654 49.708,49.946 49.936,49.717 v1(49.936,48.997)
NetJ1_31: J1.31 R19.2 U1.27 | length 50.6
  Top Layer w0.203: R19.2@40,84.978 J1.31@40,92.25 ; R19.2@40.05,84.978 40.742,84.286 40.742,79.985 40.173,79.416 v1(40.173,74.6) ; U1.27@51.602,47.863 51.602,47.456 v1(51.605,47.453)
  Bottom Layer w0.203: v1(40.173,74.6) 40.173,63.764 51.71,52.227 51.71,48.763 51.605,48.657 v1(51.605,47.453)
NetJ1_32: J1.32 R20.2 U1.29 | length 52
  Top Layer w0.203: v1(39.645,75.286) 39.645,79.354 39.091,79.908 39.091,85.547 38.296,86.341 38.296,88.134 38.95,88.788 R20.2@39,88.788 39,93.25 J1.32@40,94.25 ; v1(51.181,49.073) 51.198,49.056 U1.29@51.198,48.359
  Bottom Layer w0.203: v1(39.645,75.286) 39.645,63.784 51.206,52.222 51.206,49.098 v1(51.181,49.073)
NetJ1_33: J1.33 R21.2 U1.25 | length 49.5
  Top Layer w0.203: v1(40.702,75.336) 40.702,79.31 41.173,79.781 41.173,84.101 42.05,84.978 R21.2@42,84.978 J1.33@42,92.25 ; U1.25@52,48.359 52,48.669 52.271,48.94 v1(52.271,49.047)
  Bottom Layer w0.203: v1(40.702,75.336) 40.702,74.231 40.578,74.108 40.578,63.867 52.271,52.173 v1(52.271,49.047)
NetJ1_34: J1.34 R1.1 | length 5.9
  Top Layer w0.203: R1.1@40.95,88.788 R1.1@41,88.788 ; R1.1@41.047,88.835 41.047,93.297 J1.34@42,94.25
  Top Layer w0.254: R1.1@41,88.788 R1.1@41.047,88.835
NetJ2_39: J2.39 R42.1 | length 5.3
  Top Layer w0.254: J2.39@90,92.25 95.187,92.25 R42.1@95.235,92.202
NetJ2_40: J2.40 R43.1 | length 5.2
  Top Layer w0.254: J2.40@90,94.25 95.219,94.25 R43.1@95.235,94.234
NetJ3_1: J3.1 U1.92 | length 53.1
  Top Layer w0.203: J3.1@11.684,4.953 17.653,10.922 17.653,13.741 32.436,28.524 v1(32.461,28.524) ; v1(35.611,41.656) 36.551,41.656 38.802,43.907 38.802,45.029 U1.92@38.8,45.031
  Bottom Layer w0.203: v1(32.461,28.524) 32.461,40.665 33.452,41.656 v1(35.611,41.656)
NetJ4_1: J4.1 R44.2 R46.2 U3.5 | length 47.4
  Top Layer w0.203: R44.2@52.705,18.582 52.755,18.582 53.654,19.482 56.21,19.482 57.937,17.755 76.098,17.755 79.098,14.755 R46.2@82.931,14.755 82.956,14.78 v1(82.956,15.57) ; v1(84.739,6.499) 84.747,6.491 84.747,5.215 J4.1@84.755,5.207 ; U3.5@85.479,10.733 85.488,10.742 v1(85.488,11.506) 85.488,15.536 v1(85.496,15.545)
  Bottom Layer w0.203: v1(82.956,15.57) 82.969,15.557 85.484,15.557 v1(85.496,15.545) ; v1(84.739,6.499) 84.734,6.503 84.734,7.671 85.488,8.424 v1(85.488,11.506)
NetJ4_4: J4.4 U3.4 | length 5.9
  Top Layer w0.254: U3.4@86.479,10.733 86.479,10.658 86.502,10.635 86.577,10.635 86.97,10.243 86.97,8.407 86.701,8.139 86.701,5.169 J4.4@86.705,5.165
NetL1_1: L1.1 U9.3
NetL2_1: L2.1 U11.3
NetQ1_1: Q1.1 R106.1 | length 1.6
  Top Layer w0.203: R106.1@9.144,78.09 9.205,78.029 Q1.1@9.205,76.549
NetQ1_3: Q1.3 R94.1 R100.2 U8.14 | length 8.9
  Top Layer w0.203: R100.2@5.461,74.534 8.24,74.534 Q1.3@8.255,74.549 ; U8.14@7.223,71.461 7.214,71.47 7.214,72.415 8.255,73.457 Q1.3@8.255,74.549 ; R94.1@10.805,74.549 Q1.3@8.255,74.549
NetR44_1: R44.1 R45.2 U1.101 U2.2 | length 12.3
  Top Layer w0.203: R45.2@51.105,17.282 R44.1@52.705,17.282 52.755,17.282 54.269,18.796 54.864,18.796 ; U2.2@54.864,17.477 U2.2@54.872,17.485 54.872,18.788 54.864,18.796 ; U1.101@56.8,14.111 56.8,15.017 57.074,15.291 57.074,18.11 56.388,18.796 54.864,18.796
NetR48_1: R48.1 R50.2 U4.8 | length 4.3
  Top Layer w0.254: R48.1@14.627,77.573 14.841,77.787 14.841,78.36 ; R50.2@14.627,79.147 14.841,78.933 14.841,78.36 ; U4.8@16.383,77.274 16.39,77.281 16.39,78.211 16.242,78.36 14.841,78.36
NetR48_2: R48.2 U1.54 | length 68.1
  Top Layer w0.203: R48.2@14.627,76.273 14.677,76.273 15.001,75.95 15.001,69.302 17.45,66.853 17.45,51.435 18.72,50.165 18.72,43.078 21.031,40.767 v1(33.477,40.767) ; U1.54@46.4,45.031 46.4,43.033 46.914,42.52 v1(46.914,41.58)
  Bottom Layer w0.203: v1(33.477,40.767) 46.101,40.767 v1(46.914,41.58)
NetR57_1: R57.1 U6.92 U16.41 | length 79.2
  Top Layer w0.203: v1(52.984,78.029) 52.984,74.574 53.262,74.296 U16.41@53.262,73 ; U6.92@81.763,62.865 81.775,62.853 81.775,60.897 83.337,59.334 84.201,59.334 84.742,58.793 84.742,58.428 85.065,58.105 R57.1@85.115,58.105 85.969,58.105 86.944,59.08 v1(89.992,59.08)
  Bottom Layer w0.203: v1(52.984,78.029) 52.984,79.604 55.016,81.636 69.317,81.636 70.841,83.16 86.436,83.16 89.992,79.604 v1(89.992,59.08)
NetR58_1: R58.1 U6.91 | length 5.7
  Top Layer w0.17: U6.91@81.375,62.859 81.375,60.195 83.464,58.106 R58.1@83.464,58.064
NetR62_1: R62.1 U16.8 | length 18
  Top Layer w0.203: U16.8@50.262,63.5 50.312,63.45 50.312,59.008 51.002,58.318 57.694,58.318 60.666,55.347 62.216,55.347 62.24,55.371 R62.1@62.24,55.321
NetR62_2: R62.2 U6.70 | length 14
  Top Layer w0.203: R62.2@63.54,55.321 63.54,55.371 63.59,55.321 63.59,55.437 64.567,56.413 64.567,57.175 67.183,59.792 71.349,59.792 72.975,61.418 U6.70@72.975,62.859
NetR63_1: R63.1 U16.6 | length 18.2
  Top Layer w0.203: U16.6@49.262,63.5 49.255,63.492 49.255,62.48 49.911,61.824 49.911,58.855 51.031,57.734 57.531,57.734 v1(57.559,57.706) ; v1(60.833,57.81) 61.349,57.295 61.917,57.295 62.24,56.971 R63.1@62.24,56.921
  Bottom Layer w0.203: v1(57.559,57.706) 57.634,57.781 60.803,57.781 v1(60.833,57.81)
NetR63_2: R63.2 U6.69 | length 12.5
  Top Layer w0.203: R63.2@63.54,56.921 63.54,56.971 63.641,56.871 63.641,57.012 66.853,60.223 71.298,60.223 72.575,61.501 U6.69@72.575,62.859
NetR64_1: R64.1 U16.5 | length 19.1
  Top Layer w0.203: U16.5@48.762,63.5 48.762,62.505 49.576,61.692 49.576,58.704 51.054,57.226 56.291,57.226 v1(56.312,57.206) ; v1(60.833,58.699) 62.072,58.699 62.225,58.546 R64.1@62.225,58.496
  Bottom Layer w0.203: v1(56.312,57.206) 57.376,58.27 60.403,58.27 v1(60.833,58.699)
NetR64_2: R64.2 U6.68 | length 11.3
  Top Layer w0.203: R64.2@63.525,58.496 63.525,58.546 63.601,58.471 63.601,58.546 65.684,60.63 71.196,60.63 72.175,61.609 U6.68@72.175,62.859
NetR65_1: R65.1 U16.4 | length 20.9
  Top Layer w0.203: U16.4@48.262,63.5 48.281,63.481 48.281,62.514 49.246,61.549 49.246,58.552 51.029,56.769 55.453,56.769 v1(55.524,56.698) ; v1(60.833,59.995) 62.104,59.995 62.23,60.121 R65.1@62.23,60.071
  Bottom Layer w0.203: v1(55.524,56.698) 55.524,57.302 56.896,58.674 59.512,58.674 v1(60.833,59.995)
NetR65_2: R65.2 U6.67 | length 10.1
  Top Layer w0.203: R65.2@63.53,60.071 63.53,60.121 63.555,60.096 63.576,60.096 64.516,61.036 71.095,61.036 71.775,61.717 U6.67@71.775,62.859
NetR66_2: R66.2 U6.127 | length 2.3
  Top Layer w0.203: U6.127@84.875,76.359 86.332,76.359 86.655,76.683 R66.2@86.995,76.683